# Altium PCB bas_Pcb.PcbDoc (part 2 of 2)
Units mil, origin at the board's own origin, x right, y up, seen from the top; angles counter-clockwise.
Board outline 4560 x 3935 mil, 4 copper layers (Top Layer, Int1 (GND), Int2 (PWR), Bottom Layer), stack 53.912 mil thick; 125 components, 87 nets, 449 pads, 123 vias.
Unrouted connection lines stored in the file: 1.
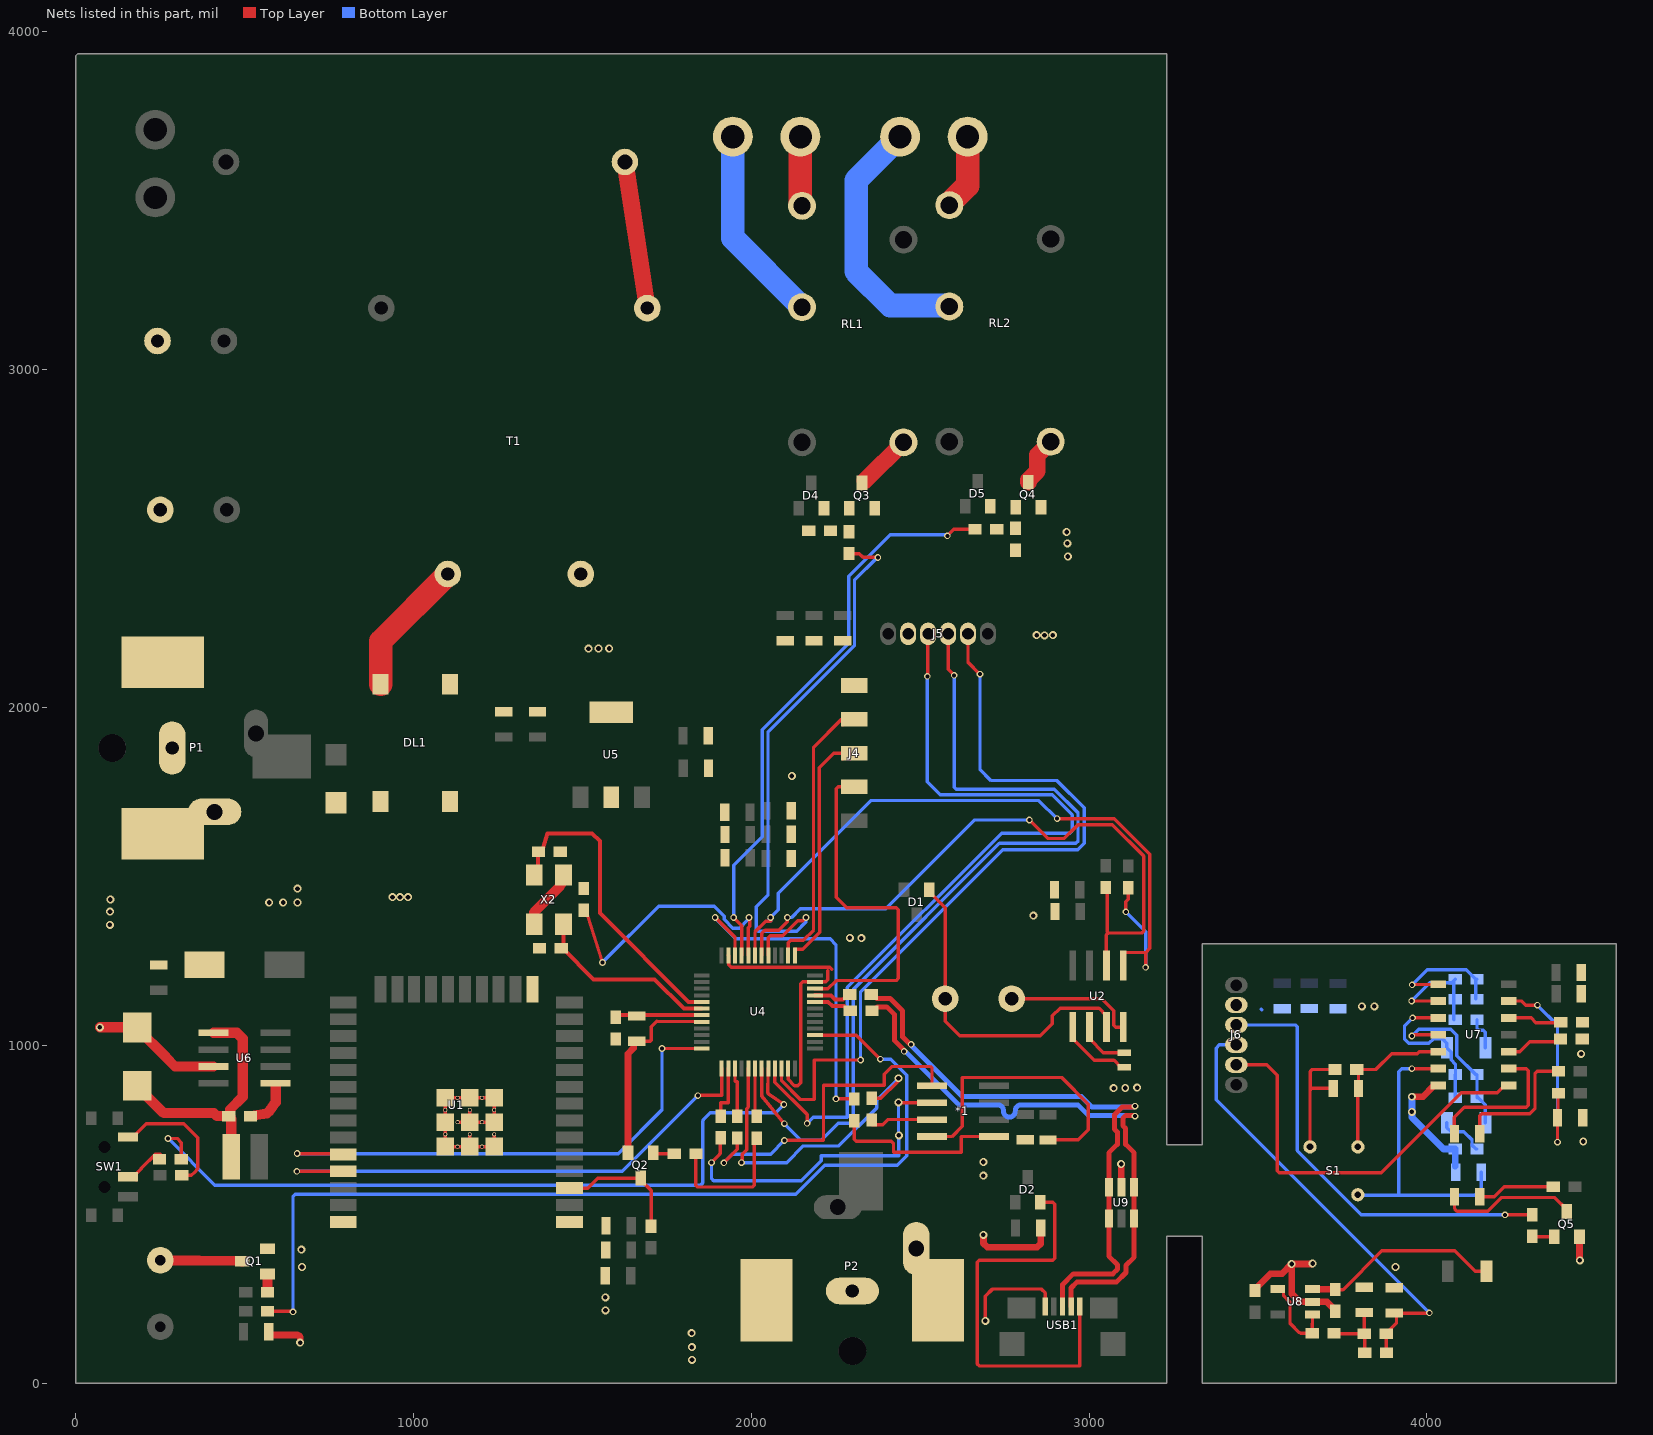
[diagram p4: the nets of this part, all layers, seen from the top]

## Via types
v1: diameter 23.62, hole 13.78, Top Layer to Bottom Layer, 77 vias
v2: diameter 19.68, hole 11.81, Top Layer to Bottom Layer, 45 vias
v3: diameter 25.79, hole 13.78, Top Layer to Bottom Layer, 1 vias

## Nets (pads, with @x,y where several pads share a name; then routed paths per layer and width w, separated by ;. In a path a pad name is that pad's centre, name@x,y a point inside that pad or via, vN(x,y) a via of type N, cw(c..) or ccw(c..) an arc to the next point about the centre after c; other vN are vias at no path point) (continued)
GND: *1.4 C1.1 C2.2 C3.2 C4.2 C5.2 C6.2 C7.2 C8.2 C9.2 C10.2 C11.1 C12.1 C13.1 C14.1 C15.2 C16.2 C17.2 C18.2 C19.2 C20.1 C21.1 C22.2 C23.2 C24.2 C25.2 C26.1 C28.2 C29.2 C30.2 C50.2 D3.A DL1.4 J4.5 J5.2 P1.2 P1.3 P2.2 P2.3 Q1.2 Q2.2 Q3.2 Q4.2 R7.2 R8.1 R21.2 R22.2 U1.1 U1.15 U1.38 U1.39 U2.4 U4.8 U4.23 U4.35 U4.47 U5.2 U6.7 U9.2 USB1.5 X2.2 X2.4 | length 4625.7
  Top Layer w10: U1.39@1130,772.24 U1.39@1166.12,772.24 ; U1.39@1166.12,736.12 U1.39@1166.12,700 ; U1.39@1166.12,808.37 U1.39@1166.12,772.24 ; U1.39@1238.37,736.12 U1.39@1238.37,700 U1.39@1202.24,700 U1.39@1166.12,700 ; C22.2@1651.3,1002.72 1660.08,1011.5 C22.2@1660.3,1011.5 1700.89,1011.5 1703.8,1014.41 1703.8,1054.89 1719.8,1070.89 1834.38,1070.11 U4.8@1853,1069.2 ; U4.47@1931.74,1266.06 1932.65,1265.15 1932.65,1238.12 1940.33,1230.43 2232.07,1230.43 2237.3,1225.2 ; U4.23@2108.91,931.41 2108.91,898.95 2127.46,880.4 2137.78,880.4 2146.5,889.11 2146.5,1181.69 2152.35,1187.55 2187.41,1187.55 U4.35@2187.65,1187.32 ; 2211.3,1188.1 2219.74,1188.1 2225.6,1193.96 2225.6,1221.2 ; *1.4@2534.66,729.8 2593.96,729.8 2624.7,760.54 2624.7,904.5 2918.6,904.5 2997.2,825.9 2997.2,749.6 2967.3,719.7 C10.2@2878,719.7 ; v1(2692.4,184.3) 2692.4,257.08 2713.72,278.4 2858.12,278.4 2869.84,266.68 USB1.5@2869.84,227.2 ; C5.2@2770.43,1138 3037.57,1138 3072.84,1102.73 3072.84,1059.32 3078.7,1053.46 U2.4@3101,1053.46 ; U1.39@1166.12,700 U1.39@1130,700 U1.39@1093.88,700 U1.39@1093.88,736.12 U1.39@1093.88,772.24 U1.39@1093.88,808.37 U1.39@1093.88,844.49 U1.39@1130,844.49 U1.39@1166.12,844.49 U1.39@1202.24,844.49 U1.39@1238.37,844.49 U1.39@1238.37,808.37 U1.39@1238.37,772.24 U1.39@1202.24,772.24 U1.39@1166.12,772.24
  Top Layer w20: C4.2@571,152 579.78,142.1 654.59,142.1 cw(c654.59,132.1) 664.58,131.79 v1(664.2,119.4) ; Q2.2@1634.6,681.2 1634.6,974.9 1651.3,991.6 C22.2@1651.3,1002.72 ; v1(2686.4,438.8) 2687.09,438.11 2687.09,413.22 2698.12,402.2 2846.09,402.2 2856.8,412.92 C9.2@2856.8,459 ; v1(3094.5,648.6) 3095.05,648.05 3095.05,580.21 U9.2@3095.6,579.66
  Top Layer w30: v1(71,1053.1) 180.92,1053.1 D3.A@182,1052.02 182,1049.46 267.2,964.26 267.2,963.7 293.73,937.17 U6.7@407.48,937.17 ; 1356.3,1393.5 1426.94,1464.14 ccw(c1386.95,1504.13) X2.2@1443.51,1504.13
  other v1: 1824.2,68.7 1823.7,106.3 1823.2,147.6 1568.2,215.3 1567.5,253.9 669.3,343.3 667.7,394.6 2686.4,614 2686.4,654.4 3072.2,873 3106.7,873.3 3142.1,874.2 2325.4,1317 2291.4,1318 100.4,1356.6 2834.5,1383.6 101.2,1395.4 572.5,1422.52 613.7,1422.52 656.2,1422.52 101.9,1431.6 937.5,1438.5 959.7,1438.5 983.1,1438.5 656.18,1463.7 2119.6,1797.1 1517.8,2174 1547.5,2174.6 1579,2174.6 2844.5,2214.2 2867.6,2213.7 2892.5,2214.2 2936.8,2446.9 2935.1,2485.8 2933.4,2519.6
GND_S: C34.1 C36.1 C37.1 C38.1 C39.1 C40.1 C41.1 C42.1 C43.1 C44.1 C45.1 J6.2 Q5.2 R24.1 R27.1 R28.1 R30.1 R32.1 S1.3 U7.7 U8.2 | length 1261.5
  Top Layer w10: S1.3@3653.63,699.07 3653.63,866.34 3654,866.71 ; C36.1@3722.3,872.2 3659.49,872.2 3654,866.71 ; R27.1@3727.41,928.2 3659.86,928.2 3654,922.34 3654,866.71 ; C42.1@4457.7,1167.3 C42.1@4459.8,1165.2
  Top Layer w20: C43.1@3490.8,273.68 3490.8,277.62 3536.8,323.62 3570.52,323.62 v1(3599.5,352.6) ; v1(3661.6,353.8) 3660.62,353.8 3659.42,352.6 v1(3599.5,352.6) ; R32.1@3728.1,212.32 3728.1,216.25 3703.95,240.4 U8.2@3661.08,240.4 3624.43,240.4 3599.5,265.33 v1(3599.5,352.6) ; C45.1@3901.5,283.5 C45.1@3903.1,281.9 ; v1@3958.4,847.5 3987.84,847.5 4021.24,880.9 U7.7@4033.05,880.9 ; Q5.2@4451.4,433.4 4451.4,364.2 v1(4452.3,363.3)
  Bottom Layer w10: 3509.2,1106.6 3510.4,1105.4
  Bottom Layer w20: v1(3955.4,847.5) 3955.4,786.48 4048.88,693 R24.1@4083.56,693 4083.56,641.74 C34.1@4083.7,641.6
  other v1: 3907,343.5 4462.6,715.2 3955,802.9 4456.2,974.4 3807.2,1115 3844.3,1115.4
Led_Driver: J5.3 U4.21 | length 2526.2
  Top Layer w10: U4.21@2069.54,931.41 2069.54,890.24 2164.8,794.97 v2(2164.8,768.9) ; v2(2520.8,2091.9) 2521.96,2093.06 2521.96,2216.84 J5.3@2523.11,2218
  Bottom Layer w10: v2(2164.8,768.9) 2182.8,786.9 2283.8,786.9 2283.8,1171.1 2740.6,1627.9 2942.76,1627.9 2949.8,1634.94 2949.8,1681.7 2890.1,1741.4 2559.3,1741.4 2520.8,1779.9 v2(2520.8,2091.9)
Led_S: J6.3 R36.1 | length 1323.8
  Top Layer w10: v2(4230.9,497.8) 4231.67,498.57 R36.1@4311.7,498.57
  Bottom Layer w10: J6.3@3435.5,1060.1 3609.54,1060.1 3615.4,1054.24 3615.4,688.25 3805.85,497.8 v2(4230.9,497.8)
"LIGHT 1 GND": J2.1 RL2.3 | length 222.8
  Top Layer w70: RL2.3@2585,3490 2640,3545 J2.1@2640,3690
"LIGHT 1 VCC": J2.2 RL2.2 | length 769.7
  Bottom Layer w70: J2.2@2440,3690 2310,3560 2310,3291.01 2411.01,3190 RL2.2@2585,3190
"LIGHT 2 GND": J1.1 RL1.3 | length 207.1
  Top Layer w70: J1.1@2145,3690 2145,3493.43 2150,3488.43 RL1.3@2150,3485
"LIGHT 2 VCC": J1.2 RL1.2 | length 589.9
  Bottom Layer w70: J1.2@1945,3690 1945,3390 RL1.2@2150,3185
MCU_N: R10.1 U4.32 | length 116.2
  Top Layer w12: U4.32@2187.65,1128.26 2205.17,1128.26 2205.52,1128.6 2227.27,1128.6 2239.69,1116.18 2274.12,1116.18 2288.59,1101.7 R10.1@2292.53,1101.7
MCU_P: R11.1 U4.33 | length 114.7
  Top Layer w12: U4.33@2187.65,1147.94 2205.17,1147.94 2205.52,1147.6 2235.14,1147.6 2247.56,1135.18 2271.57,1135.18 2286.79,1150.4 R11.1@2290.73,1150.4
Net*1_5: *1.5 R6.2 | length 555.2
  Top Layer w10: R6.2@2304.2,785.36 2304.2,721.56 2310.06,715.7 2414.64,715.7 2420.5,709.84 2420.5,683.3 2621.1,683.3 2621.1,729.8 *1.5@2717.74,729.8
Net*2_1: R32.2 RTD.1 U8.3 | length 587.7
  Top Layer w10: R32.2@3728.1,276.69 3751.44,276.69 3866.06,391.3 4082.18,391.3 4142.97,330.51 RTD.1@4175.69,330.51
  Top Layer w20: U8.3@3661.08,277.8 3726.98,277.8 R32.2@3728.1,276.69
NetC5_1: C5.1 D1.1 U2.3 | length 994.7
  Top Layer w10: D1.1@2526.4,1460.41 2526.4,1454.5 2573.57,1407.33 C5.1@2573.57,1138 2573.57,1071.43 2617,1028 2855,1028 2891,1064 2891,1086.9 2913.86,1109.76 3029.16,1109.76 3051,1087.91 U2.3@3051,1053.46
NetC20_2: C20.2 U4.5 X2.3 | length 921.9
  Top Layer w12: X2.3@1356.89,1504.13 1367.91,1529.63 1367.91,1563.05 C20.2@1369.73,1572.8 1383.41,1582.55 1396.8,1627 1528.6,1627 1551.1,1604.5 1551.1,1391.54 1814.38,1128.26 U4.5@1853,1128.26
NetC21_2: C21.2 U4.6 X2.1 | length 565.3
  Top Layer w12: C21.2@1440.18,1287.72 1532.7,1195.2 1713.3,1195.2 1799.93,1108.57 U4.6@1853,1108.57 ; C21.2@1441.12,1286.7 C21.2@1437.19,1286.7 1443.51,1293.02 X2.1@1443.51,1358.47
NetC27_1: C27.1 U6.1 | length 139.3
  Top Layer w30: C27.1@517.18,790 555.85,796.17 565.46,797.71 574.11,806.36 591.95,831.41 U6.1@591.95,878.82
NetC27_2: C27.2 D3.C L1.1 U6.5 | length 754.3
  Top Layer w30: D3.C@182,879.98 182,877.42 260.42,799 409.13,799 418.13,790 456.75,790 457.5,789.25 457.5,784.43 460,781.93 L1.1@460,670 ; U6.5@407.48,1037.17 476.43,1037.17 494,1019.59 494,847.4 456.18,809.58
NetC31_1: C31.1 R24.2 | length 138.7
  Bottom Layer w10: C31.1@4058.66,770.2 4058.66,756.42 4071.38,743.7 4109.31,743.7 4133.25,719.76 4133.25,703.75 4144,693 R24.2@4147.93,693
NetC31_2: C31.2 C33.1 R23.1 U7.4 | length 526.7
  Top Layer w10: v2(3955.4,1027.2) 3958.02,1027.2 3961.72,1030.9 U7.4@4033.05,1030.9
  Bottom Layer w10: v2(3955.4,1027.2) 3975.75,1047.55 4069.89,1047.55 4088.38,1029.07 4088.38,969.02 4144,913.4 C33.1@4147.93,913.4 R23.1@4147.93,845 4151.87,845 4172.84,824.04 C31.2@4172.84,770.2
NetC32_1: C32.1 C33.2 R23.2 U7.3 | length 462.4
  Top Layer w10: v2(3957.4,1081.2) 3957.55,1081.05 4032.9,1081.05 U7.3@4033.05,1080.9
  Bottom Layer w10: v2(3957.4,1081.2) 3933.56,1057.36 3933.56,1018.15 3946.35,1005.36 4005.77,1005.36 4019.5,1019.1 4045.95,1019.1 4058.66,1006.38 C32.1@4058.66,992.6 4071.38,979.88 4071.38,957.08 4084.31,944.15 4084.31,914.14 C33.2@4083.56,913.4 R23.2@4083.56,845
NetC32_2: C32.2 R25.1 | length 100.7
  Bottom Layer w10: R25.1@4147.93,1075.3 4147.93,1050.41 4153.79,1044.55 4166.98,1044.55 4172.84,1038.69 C32.2@4172.84,992.6
NetC34_2: C34.2 S1.1 U7.6 | length 899.9
  Top Layer w10: v2@3962.2,931.1 3962.4,930.9 U7.6@4033.05,930.9
  Bottom Layer w10: S1.1@3795.37,557.33 3796.4,556.3 4140.96,556.3 4160.4,575.74 C34.2@4160.4,623.9 ; 3916.1,557.3 3916.1,921.4 3925.6,930.9 v2(3955.4,930.9)
NetC35_1: C35.1 R25.2 R26.1 U7.2 | length 347.1
  Top Layer w10: v2(3954.7,1131.2) 3954.85,1131.05 4032.9,1131.05 U7.2@4033.05,1130.9
  Bottom Layer w10: v2(3954.7,1131.2) 4008.25,1184.75 4072.82,1184.75 C35.1@4083.56,1195.5 ; C35.1@4079.61,1187.61 4079.61,1136.9 4078.81,1136.1 4078.81,1076.4 R25.2@4079.91,1075.3
NetC35_2: C35.2 R26.2 U7.1 | length 358.3
  Top Layer w10: v2(3956.1,1178.6) 3957.25,1179.75 4031.9,1179.75 U7.1@4033.05,1180.9
  Bottom Layer w10: v2(3956.1,1178.6) 4000.75,1223.25 4116.25,1223.25 C35.2@4144,1195.5 ; R26.2@4143.99,1136.9 C35.2@4143.99,1195.5 ; C35.2@4147.93,1195.5 C35.2@4144,1195.5
NetC36_2: C36.2 R27.2 S1.2 U7.5 | length 468.8
  Top Layer w10: S1.2@3795.37,699.07 3795.37,846.54 ; C36.2@3797.1,872.2 3797.1,922.88 R27.2@3791.79,928.2 3848.3,928.2 3895.1,975 3971.04,975 3976.94,980.9 U7.5@4033.05,980.9
NetC40_2: C40.2 R31.1 U7.13 | length 662
  Top Layer w10: U7.13@4242.5,1130.9 4280.73,1130.9 4292.83,1118.8 v2(4326.7,1118.8) ; v2(4386.4,713.2) 4386.5,713.3 C40.2@4386.5,785.6 ; C40.2@4387.7,788.7 4387.7,856.57 R31.1@4389.23,858.1
  Bottom Layer w10: v2(4326.7,1118.8) 4386.4,1059.1 v2(4386.4,713.2)
NetC44_2: C44.2 R33.2 R34.1 R35.1 | length 210.2
  Top Layer w10: R33.2@3724.9,147.4 3726.3,146 R35.1@3814.72,146 3814.72,176.75 3814.6,176.86 C44.2@3814.6,208.7 ; R35.1@3815.22,152 3815.22,96.8 R34.1@3816.52,95.5
NetD2_2: D2.2 USB1.1 | length 1222.5
  Top Layer w10: D2.2@2855.4,534.8 2891.84,534.8 2897.7,528.94 2897.7,369.06 2891.84,363.2 2674.36,363.2 2668.5,357.34 2668.5,56.36 2674.36,50.5 2972.2,50.5 USB1.1@2972.2,227.2
NetD4_2: D4.2 Q3.3 RL1.4 | length 160.1
  Top Layer w50: Q3.3@2336.77,2671.77 RL1.4@2450,2785
NetD5_2: D5.2 Q4.3 RL2.4 | length 147.1
  Top Layer w50: Q4.3@2820,2667.2 2820,2673.11 2846.35,2699.46 2846.35,2746.97 2886,2786.62 RL2.4@2886,2787
NetDL1_1: DL1.1 T1.9
NetDL1_2: DL1.2 T1.7 | length 409.1
  Top Layer w70: DL1.2@902.44,2068.23 902.44,2196.14 T1.7@1101.3,2395
NetDL1_3: DL1.3 F1.1
NetLED1_1: LED1.1 U7.9 | length 444.6
  Top Layer w10: LED1.1@4081.2,738.1 4081.2,787 4111,816.8 4294.04,816.8 4299.9,822.66 4299.9,925.04 4294.04,930.9 U7.9@4242.5,930.9
NetLED1_2: LED1.2 R29.1 | length 402.5
  Top Layer w10: LED1.2@4156,738.1 4156,791.64 4161.86,797.5 4304.3,797.5 4319.9,813.1 4319.9,917.44 4325.76,923.3 R29.1@4389.31,923.3
NetLED2_1: LED2.1 Q5.3 | length 410.9
  Top Layer w10: LED2.1@4077,551.7 4081.59,547.11 4081.59,516.97 4082.86,515.7 4082.86,514.26 4088.71,508.4 4179.44,508.4 4220.24,549.2 4378.51,549.2 4414,513.71 Q5.3@4414,507.8
NetLED2_2: LED2.2 R37.2 | length 234.5
  Top Layer w10: LED2.2@4151.8,551.7 4198.7,551.7 4228.4,581.4 R37.2@4374.01,581.4
NetLS1_2: LS1.2 Q1.3 | length 242.9
  Top Layer w30: LS1.2@250,363.43 486.14,360.75 Q1.3@492.8,360
NetQ1_1: Q1.1 R3.1 | length 53.6
  Top Layer w30: R3.1@567.18,269 567.18,291.83 Q1.1@567.2,322.6
NetQ2_1: Q2.1 R4.1 | length 61.9
  Top Layer w10: Q2.1@1709.67,681.31 1720.15,679.12 R4.1@1771.29,679.12
NetQ3_1: Q3.1 R20.2 R22.1
NetQ4_1: Q4.1 R19.2 R21.1
NetQ5_1: Q5.1 R36.2 | length 55.8
  Top Layer w10: R36.2@4320.9,433.6 4321.1,433.4 Q5.1@4376.6,433.4
NetR1_1: R1.1 SW1.1 | length 388.4
  Top Layer w10: SW1.1@153.9,728.58 169.65,728.58 208.91,767.84 319.26,767.84 361,726.1 361,634 351.51,624.51 342.01,615 R1.1@313.18,615
NetR2_2: R2.2 SW1.2 | length 150.9
  Top Layer w10: SW1.2@178.43,601.69 SW1.2@153.9,610.47 169.65,610.47 194.03,634.86 194.03,636.15 235.88,678 250,678
NetR8_2: R8.2 U4.44 | length 828.8
  Top Layer w10: R8.2@1503.9,1399.71 1514.65,1385.03 v2(1559,1245) ; U4.44@1990.8,1266.06 1990.8,1347.56 1994.85,1351.62 1994.85,1375.55 v2@1993,1377.4
  Bottom Layer w10: v2(1559,1245) 1726,1412 1889.59,1412 1919.6,1381.99 1919.6,1372.4 1945.14,1346.86 1965.08,1346.86 1988.16,1369.94 1988.16,1370.73 1993,1375.57 v2@1993,1377.4
  other v2: 1993,1378.19
NetR9_2: R9.2 U4.18 | length 123.6
  Top Layer w10: U4.18@2009.69,930.62 U4.18@2010.48,931.41 R9.2@2010.48,808.9
NetR12_2: R12.2 U4.14 | length 164.2
  Top Layer w10: R12.2@1908.8,790.19 1908.8,830 1931.74,830 U4.14@1931.74,931.41
NetR13_2: R13.2 U4.15 | length 149
  Top Layer w10: U4.15@1951.43,931.41 1951.43,892.79 1958.5,892.79 R13.2@1958.5,789.49
NetR14_2: R14.2 U4.17 | length 978.3
  Top Layer w10: v2(1970.7,652.4) 1972.55,654.25 1972.55,676.87 1986.25,690.57 1986.25,812.64 1990.8,817.18 U4.17@1990.8,931.41 ; R14.2@2355.7,842.79 2383.39,842.79 2432.99,892.39 2432.99,899.69 v1(2435.6,902.3)
  Bottom Layer w10: v2(1970.7,652.4) 2104.4,652.4 2153.8,701.8 2258.54,701.8 2370.92,814.18 2370.92,837.62 v1(2435.6,902.3)
NetR15_2: R15.2 U4.27 | length 2845.6
  Top Layer w10: R15.2@567.19,212 642,212 v2(643,211) ; U4.27@2187.65,1029.83 2310.37,1029.83 v2(2381.6,958.6)
  Bottom Layer w10: v2(643,211) 643,553.04 648.86,558.9 2131.9,558.9 2217.4,644.4 2432.14,644.4 2460.31,672.57 2460.31,911.26 2412.97,958.6 v2(2381.6,958.6)
NetR18_2: R18.2 T1.1 | length 437.6
  Top Layer w50: R18.2@1625.55,3615 T1.1@1691.85,3182.4
NetR19_1: R19.1 U4.45 | length 1706.3
  Top Layer w10: v2(1947.55,1378.08) 1947.55,1377.32 1971.11,1353.76 U4.45@1971.11,1266.06 ; v2(2580,2508.2) 2599,2527.2 R19.1@2661.82,2527.2
  Bottom Layer w10: v2(1947.55,1378.08) 1947.55,1533.35 2032,1617.8 2032,1933.5 2288,2189.5 2288,2388.5 2411.36,2511.86 2573.01,2511.86 2573.3,2512.15 v2@2580.15,2512.15
NetR20_1: R20.1 U4.41 | length 1703
  Top Layer w10: U4.41@2049.85,1266.06 2049.85,1318.04 2055.71,1323.9 2092.19,1323.9 2136.99,1368.7 2152.11,1368.7 v2(2161.6,1378.19) ; R20.1@2289,2455.63 2319.75,2455.63 2330.38,2445 2373,2445 v2(2374.19,2443.8)
  Bottom Layer w10: v2(2161.6,1378.19) 2161.6,1365 2134.26,1337.66 2020.7,1337.66 2014.84,1343.52 2014.84,1410.4 2049,1444.56 2049,1926.46 2305,2182.46 2305,2377 2371.8,2443.8 v2(2374.19,2443.8)
NetR28_2: R28.2 U7.12 | length 145.4
  Top Layer w10: U7.12@4242.5,1080.9 4308.13,1080.9 4322.23,1066.8 R28.2@4382.01,1066.8
NetR30_2: R30.2 U7.10 | length 148.5
  Top Layer w10: U7.10@4242.5,980.9 4274.9,980.9 4304.1,1010.1 R30.2@4378.9,1010.1
NetR33_1: R33.1 U8.1 U8.4 | length 255.3
  Top Layer w10: U8.4@3558.72,277.8 3568.56,277.8 3575.37,270.99 3575.37,258.34 3594.51,239.21 3594.51,177.35 3622.36,149.5 3623.74,149.5 3625.84,147.4 R33.1@3660.53,147.4 3660.53,175.64 3661.08,176.19 U8.1@3661.08,203
NetU2_1: U2.1 X1.1 | length 222.1
  Top Layer w10: U2.1@2951,1053.46 2951,1019.02 3014.62,955.4 3073.51,955.4 3093.96,934.95 X1.1@3103.8,934.95
NetU2_2: U2.2 X1.2 | length 154.1
  Top Layer w10: U2.2@3001,1053.46 3001,1019.02 3041.76,978.25 X1.2@3103.8,978.25
NRST: C22.1 R7.1 U4.7 | length 263.2
  Top Layer w12: R7.1@1589.8,1088.89 U4.7@1853,1088.89
PIRDETECT: J6.5 U7.8 | length 1211.7
  Top Layer w10: J6.5@3435.5,941.99 3525.51,941.99 3556.2,911.3 3556.2,628.66 3562.06,622.8 3865,622.8 4101.08,858.88 4208.67,858.88 4230.69,880.9 U7.8@4242.5,880.9
PIRDETECTOR: J5.5 U4.22 | length 2333
  Top Layer w10: U4.22@2089.22,931.41 2089.22,894.6 2144.42,839.4 2186.5,839.4 2186.5,956.4 v2(2323.64,956.4) ; J5.5@2641.22,2218 2641.22,2134.18 v2(2676.6,2098.8)
  Bottom Layer w10: v2(2323.64,956.4) 2322.8,957.24 2322.8,1156.5 2744.6,1578.3 2965.6,1578.3 2984.9,1597.6 2984.9,1702.6 2903.7,1783.8 2709.2,1783.8 2676.6,1816.4 v2(2676.6,2098.8)
RTC_SCL: R17.1 U2.6 U4.42 | length 1963
  Top Layer w10: U4.42@2030.17,1266.06 2030.17,1330.89 2040.17,1340.9 2081.5,1340.9 2106.1,1365.5 v2(2106.1,1378.19) ; v2(2822.6,1666.9) 2877.3,1612.2 2926.2,1612.2 2966.8,1652.8 3068.6,1652.8 3161.1,1560.3 3161.1,1338.16 3155.24,1332.3 3056.86,1332.3 ; U2.6@3051,1236.54 3051,1326.44 3056.86,1332.3 ; 3053,1446.5 3053,1336.16 3056.86,1332.3
  Bottom Layer w10: v2(2106.1,1378.19) 2118.79,1378.19 2144.2,1403.6 2397.4,1403.6 2660.7,1666.9 v2(2822.6,1666.9)
RTC_SDA: R16.1 U2.5 U4.43 | length 2207.5
  Top Layer w10: U4.43@2010.48,1266.06 2010.48,1335.25 2042.48,1367.25 2055.05,1367.25 v2@2056.9,1369.1 ; v2(2904.9,1670.7) 3074.74,1670.7 3179.7,1565.74 3179.7,1287.4 3166.8,1274.5 ; U2.5@3101,1236.54 3101,1269.66 3105.84,1274.5 3166.8,1274.5 ; v2(3108.7,1394.9) 3108.7,1424.61 3115.9,1431.82 R16.1@3115.9,1466.5 ; v2(3167.3,1230.8) 3167.3,1274 3166.8,1274.5
  Bottom Layer w10: v2@2056.9,1369.1 2053.2,1372.8 2053.2,1375.03 2078.9,1400.73 2078.9,1450.42 2352.88,1724.4 2851.2,1724.4 v2(2904.9,1670.7) ; v2(3108.7,1394.9) 3167.3,1336.3 v2(3167.3,1230.8)
  other v2: 2056.9,1378.19
Sensor_On/Of: R2.1 U4.20 | length 2312.2
  Top Layer w10: v2(273,724) 300,724 312.18,711.82 R2.1@312.18,662 ; U4.20@2049.85,931.41 2048.94,912.79 2048.27,863.02 ccw(c2058.27,862.88) 2052.6,854.65 v2(2096.2,824.4)
  Bottom Layer w10: v2(273,724) 411,586 1846.2,586 ccw(c1846.2,596) 1856.2,596.15 1855.36,652.17 cw(c1877.2,652.5) 1855.36,652.65 1856.2,773.87 cw(c1866.2,773.8) 1859.13,780.87 1878.5,800.24 2072.04,800.24 v2(2096.2,824.4)
SWCLK: J4.3 U4.37 | length 787
  Top Layer w10: U4.37@2128.59,1266.06 2128.59,1283.77 2129.5,1284.68 2151.57,1284.68 2201.86,1334.97 2201.86,1570.14 2200.89,1571.11 2200.89,1822.16 2243.74,1865 J4.3@2287.28,1865 ; J4.3@2270.63,1848.35 J4.3@2287.28,1865 ; J4.3@2290.77,1848.35 2301.4,1858.97 J4.3@2328.17,1858.97 ; J4.3@2305,1865 J4.3@2287.28,1865
SWDIO: J4.2 U4.34 | length 1040.1
  Top Layer w10: U4.34@2187.65,1167.63 2226.63,1167.63 2250.63,1191.63 2428.63,1191.63 2434.7,1197.7 2434.7,1401.04 2428.84,1406.9 2281.77,1406.9 2250.63,1438.04 2250.63,1759.14 2256.49,1765 J4.2@2305,1765
TDI: J4.4 U4.38 | length 826.2
  Top Layer w10: U4.38@2108.91,1266.06 2108.91,1303.14 2116.66,1310.9 2153.75,1310.9 2183.89,1341.04 2183.89,1882.69 2265.6,1964.4 ; J4.4@2270.63,1948.35 2287.28,1965 J4.4@2305,1965
TEMP_ADC: C45.2 J6.4 R34.2 R35.2 | length 1341.7
  Top Layer w10: R34.2@3880.89,95.5 3879.59,96.8 3879.59,152 3883.52,152 3909.88,178.35 3909.88,198.42 C45.2@3902.5,205.8 ; C45.2@3903.1,207.1 4006.5,207.1 v2(4007,207.6)
  Bottom Layer w10: J6.4@3435.5,1001.04 3385.5,1001.04 3375.9,991.44 3375.9,838.7 v2(4007,207.6)
TEMP_IN_CS: *1.2 R12.1 | length 939.1
  Top Layer w10: v2(1881.9,652.2) 1881.9,653.29 1904.68,676.07 ccw(c1898.17,683.66) 1908.17,683.66 1908.17,711.13 R12.1@1908.8,725.82 ; v1(2435.6,830.8) 2436.4,830 2487.93,830
  Bottom Layer w10: v2(1881.9,652.2) 1881.9,604.86 1887.76,599 2147.96,599 2207.2,658.24 2207.2,672.8 2436.5,672.8 v1(2436.5,733.1) 2435.6,733.1 v1(2435.6,830.8)
TEMP_IN_OT: R6.1 U4.46 | length 1040.1
  Top Layer w10: v2(1892.5,1378.19) 1892.9,1378.2 1951.43,1319.67 U4.46@1951.43,1266.06 ; v2(2250.3,841.5) 2303.79,841.5 R6.1@2304.2,841.09
  Bottom Layer w10: v2(1892.5,1378.19) 1892.5,1375.57 1902.6,1365.47 1902.6,1365.36 1953.16,1314.8 2233.7,1314.8 2250.3,1298.2 v2(2250.3,841.5)
TEMP_IN_SCLK: *1.1 R13.1 | length 992.7
  Top Layer w10: v2(1918.3,652.1) 1958.1,691.9 1958.1,724.72 R13.1@1958.5,725.12 ; v2(2097.4,718.2) 2097.4,719 2213.5,719 2213.5,881.3 2393.4,881.3 2393.4,913.9 2416.7,937.2 2528.81,937.2 2534.66,931.34 *1.1@2534.66,879.8
  Bottom Layer w10: v2(1918.3,652.1) 1943.8,677.6 2056.8,677.6 v2(2097.4,718.2)
TEMP_IN_SIO: *1.3 R14.1 | length 136.2
  Top Layer w10: R14.1@2358,764.82 2388.75,764.82 2403.93,780 2487.93,780
TEMPATURE_ADC: J5.4 U4.19 | length 2619.8
  Top Layer w10: U4.19@2030.17,931.41 2030.17,850.5 v2(2097.4,768) ; J5.4@2582.17,2218 2582.17,2113.13 v2(2600.2,2095.1)
  Bottom Layer w10: v2(2097.4,768) 2146.6,718.8 2207.24,718.8 2257.54,769.1 2301.8,769.1 2301.8,1165.06 2734.34,1597.6 2960.86,1597.6 2966.8,1603.54 2966.8,1688.74 2897.14,1758.4 2606.06,1758.4 2600.2,1764.26 v2(2600.2,2095.1)
USB_N: R10.2 U9.1 U9.6 USB1.2 | length 1764.9
  Top Layer w14.7: R10.2@2356.9,1101.7 2360.84,1101.7 2372.84,1113.7 2400.62,1113.7 2423.04,1091.29 2423.04,1014.31 2449.52,987.83 2449.52,985.65 2452.01,983.16 2452.01,982.84 v2(2452.01,981.81) ; USB1.2@2946.61,227.2 2946.16,227.65 2946.16,281.49 2963.24,298.58 3080.39,298.58 3108.94,327.13 3108.94,348.71 3133,372.78 U9.6@3133,487.14 U9.1@3133,579.66 3133,681.69 3107.95,706.75 3107.95,753.47 3099.7,761.72 3099.7,783.74 3108.31,792.35 3131.66,792.35 3134.15,789.86 v2(3135.5,789.86)
  Bottom Layer w14.7: v2(2452.01,981.81) 2455.54,981.81 2613.89,823.46 2687,823.46 2729.05,823.46 cw(c2729.05,806.11) 2746.39,806.11 2746.39,804.35 ccw(c2763.74,804.35) 2781.09,804.35 2781.09,806.11 cw(c2798.44,806.11) 2798.44,823.46 2877.8,823.46 2966.34,823.46 2997.44,792.35 3131.66,792.35 3134.15,789.86 v2(3135.5,789.86)
USB_P: R11.2 U9.3 U9.4 USB1.3 | length 1765.3
  Top Layer w14.7: R11.2@2355.1,1150.4 2359.04,1150.4 2371.04,1138.4 2410.85,1138.4 2447.73,1101.52 2447.73,1024.54 2469.47,1002.8 v2(2473,1002.8) ; USB1.3@2921.02,227.2 2921.47,227.65 2921.47,291.72 2953.01,323.27 3070.16,323.27 3084.24,337.36 3084.24,349.53 3058.2,375.58 U9.4@3058.2,487.14 U9.3@3058.2,579.66 3058.2,681.69 3083.25,706.75 3083.25,743.24 3075,751.49 3075,793.97 3098.08,817.05 3131.66,817.05 3134.15,819.54 v2(3135.5,819.54)
  Bottom Layer w14.7: v2(2473,1002.8) 2473,1001.45 2475.49,998.96 2475.49,996.78 2624.12,848.16 2976.57,848.16 3007.67,817.05 3131.66,817.05 3134.15,819.54 v2(3135.5,819.54)
WIFI_EN: R4.2 R9.1 | length 414.2
  Top Layer w10: R4.2@1834.99,683.3 1834.99,586.06 1840.84,580.2 2002.44,580.2 2008.3,586.06 R9.1@2008.3,724.82
WIFI_OUT: Q2.3 R5.1 U1.3 | length 378.1
  Top Layer w10: U1.3@1461.4,576.97 1515.77,576.97 1545.59,606.8 Q2.3@1672,606.8 1672,600.89 1702.9,569.99 R5.1@1702.9,464.48
WIFI_RX: U1.34 U4.12 | length 1571.2
  Top Layer w10: v2(655.4,679.3) 789.77,679.3 U1.34@792.11,676.97 ; v2@1735.3,991 v2(1735.3,990.46) U4.12@1853,990.46
  Bottom Layer w10: v2(655.4,679.3) 655.61,679.09 1605.49,679.09 1735.3,808.9 v2(1735.3,990.46)
WIFI_TX: U1.35 U4.13 | length 1569
  Top Layer w10: v2(654.3,626.8) 791.94,626.8 U1.35@792.11,626.97 ; v2(1841.42,850.91) 1841.42,851.8 1912.06,851.8 U4.13@1912.06,931.41
  Bottom Layer w10: v2(654.3,626.8) 1617.31,626.8 v2(1841.42,850.91)
pads on no net: *1.6 *1.7 D1.3 D2.3 D4.3 D5.3 J5.6 J6.6 P1. P2. RL1.1 RL2.1 SW1. SW1.3 U1.4 U1.5 U1.6 U1.7 U1.8 U1.9 U1.10 U1.11 U1.12 U1.13 U1.14 U1.16 U1.17 U1.18 U1.19 U1.20 U1.21 U1.22 U1.23 U1.24 U1.25 U1.26 U1.27 U1.28 U1.29 U1.30 U1.31 U1.32 U1.33 U1.36 U1.37 U2.7 U4.1 U4.2 U4.3 U4.4 U4.10 U4.11 U4.16 U4.25 U4.26 U4.28 U4.29 U4.30 U4.31 U4.39 U4.40 U6.2 U6.3 U6.8 U7.11 USB1. USB1.4

## Polygon pours and split planes (outlines as drawn)
GND on Top Layer "GND_L01_P003" (solid, pour order 3): 5,2399.7 23.1,37.7 3134,37.7 3202,105.7 3202,2399.7
GND_S on Top Layer "GND_S_L01_P004" (solid, remove dead copper, pour order 4): 3364.7,1272.2 3365.5,1273 4524.4,1273 4524.4,37.3 4515,27.9 3360.4,27.9 3360.4,51 3360.4,57.9
+12VDC on Top Layer "+12VDC_L01_P002" (solid, pour order 2): 390,3159 390,3158 513,3158 513,2509 371,2509 371,3161
NetDL1_1 on Top Layer "NETDL1_1_L01_P000" (solid, pour order 0): 1505,2490 1575,2420 1575,2370 1515,2310 1450,2310 1140,2000 1045,2000 1045,2125 1165,2125 1390,2350 1390,2415 1450,2475
GND on Int1 (GND) (split plane): 3209.9,705 3210.29,701.08 3211.43,697.31 3213.29,693.83 3215.79,690.79 3218.83,688.29 3222.31,686.43 3226.08,685.29 3230,684.9 3335,684.9 3338.92,685.29 3342.69,686.43 3346.17,688.29 3349.21,690.79 3351.71,693.83 3353.57,697.31 3354.71,701.08 3355.1,705 3355.1,1279.9 4539.9,1279.9 4539.9,20.1 3355.1,20.1 3355.1,435 3354.71,438.92 3353.57,442.69 3351.71,446.17 3349.21,449.21 3346.17,451.71 3342.69,453.57 3338.92,454.71 3335,455.1 3230,455.1 3226.08,454.71 3222.31,453.57 3218.83,451.71 3215.79,449.21 3213.29,446.17 3211.43,442.69 3210.29,438.92 3209.9,435 3209.9,20.1 20.1,20.1 20.1,3914.9 3209.9,3914.9
GND_S on Int1 (GND) (split plane): 3946.36,1092.43 3711.65,1089.58 3711.64,1089.58 3711.63,1089.58 3710.87,1089.41 3710.09,1089.25 3710.08,1089.24 3710.07,1089.24 3709.43,1088.79 3708.78,1088.35 3708.77,1088.34 3708.77,1088.33 3708.34,1087.68 3707.91,1087.01 3707.91,1087 3707.9,1086.99 3707.77,1086.23 3707.62,1085.45 3707.62,1085.44 3707.62,1085.43 3719.92,398.03 3720.08,397.3 3720.22,396.57 3720.25,396.53 3720.26,396.47 3720.68,395.86 3721.09,395.24 3721.14,395.21 3721.17,395.16 3721.79,394.76 3722.41,394.35 3722.46,394.33 3722.51,394.3 3723.24,394.17 3723.96,394.02 3906.66,392.42 3906.7,392.43 3906.73,392.42 3907.48,392.58 3908.23,392.72 3908.26,392.74 3908.29,392.74 3908.93,393.18 3909.56,393.59 3909.58,393.62 3909.61,393.64 3910.03,394.28 3910.45,394.91 3910.46,394.94 3910.48,394.97 3910.62,395.72 3910.78,396.46 3910.77,396.5 3910.78,396.53 3906.91,910.94 3997.89,909.1 3994.02,405.33 3994.02,405.32 3994.17,404.54 3994.32,403.77 3994.32,403.76 3994.33,403.76 3994.76,403.1 3995.19,402.44 3995.2,402.43 3995.85,401.99 3996.51,401.54 3996.52,401.54 3997.29,401.38 3998.07,401.22 3998.08,401.22 4433.18,399.32 4433.23,399.33 4433.28,399.32 4434.01,399.48 4434.74,399.63 4434.79,399.65 4434.84,399.66 4435.45,400.09 4436.07,400.5 4436.1,400.55 4436.14,400.58 4436.54,401.21 4436.96,401.82 4436.97,401.87 4437,401.92 4437.13,402.65 4437.28,403.38 4437.27,403.43 4437.28,403.48 4422.66,1115.18 4521.24,1119.06 4523.72,593.8 4522.05,312.75 3558.71,306.11 3545.18,1085.57 3545.03,1086.27 3544.9,1086.98 3544.86,1087.05 3544.84,1087.13 3544.43,1087.71 3544.05,1088.32 3543.98,1088.37 3543.93,1088.43 3543.33,1088.82 3542.75,1089.23 3542.66,1089.25 3542.6,1089.29 3541.89,1089.42 3541.19,1089.58 3385.64,1093.08 3387.52,1140.74 3948.17,1143.6
+3V3DC on Int2 (PWR) (split plane): 3209.9,705 3210.29,701.08 3211.43,697.31 3213.29,693.83 3215.79,690.79 3218.83,688.29 3222.31,686.43 3226.08,685.29 3230,684.9 3335,684.9 3338.92,685.29 3342.69,686.43 3346.17,688.29 3349.21,690.79 3351.71,693.83 3353.57,697.31 3354.71,701.08 3355.1,705 3355.1,1279.9 4539.9,1279.9 4539.9,20.1 3355.1,20.1 3355.1,435 3354.71,438.92 3353.57,442.69 3351.71,446.17 3349.21,449.21 3346.17,451.71 3342.69,453.57 3338.92,454.71 3335,455.1 3230,455.1 3226.08,454.71 3222.31,453.57 3218.83,451.71 3215.79,449.21 3213.29,446.17 3211.43,442.69 3210.29,438.92 3209.9,435 3209.9,20.1 20.1,20.1 20.1,3914.9 3209.9,3914.9
+12VDC on Int2 (PWR) (split plane): 2647.92,2726.94 2647.94,2726.87 2647.93,2726.8 2652.92,2625.85 2046.7,2382.75 2046.39,2382.55 2046.04,2382.42 499.83,1411.08 307,1411.08 305.44,1410.77 304.12,1409.88 264.12,1369.88 263.23,1368.56 262.92,1367 262.92,1227.69 180.31,1145.08 56.08,1145.08 56.08,1487.31 185.19,1616.42 542.5,1616.42 544.06,1616.73 545.38,1617.62 602.88,1675.12 603.77,1676.44 604.08,1678 604.08,1962.92 784.31,1962.92 785.92,1961.31 785.92,1927.16 785.96,1926.96 785.94,1926.75 786.12,1926.18 786.23,1925.6 786.35,1925.43 786.41,1925.23 786.78,1924.77 787.12,1924.27 787.29,1924.16 787.42,1924 787.94,1923.72 788.44,1923.39 788.64,1923.35 788.82,1923.25 789.41,1923.2 790,1923.08 790.2,1923.12 790.41,1923.1 790.98,1923.27 791.56,1923.39 791.73,1923.5 791.93,1923.56 1937.17,2537.69 1937.62,2538.07 1938.11,2538.39 1938.23,2538.57 1938.4,2538.7 1938.67,2539.22 1939,2539.71 1939.05,2539.92 1939.15,2540.11 1939.2,2540.69 1939.32,2541.26 1941.06,2849.99 1995.04,2850.92 2204.31,2850.92 2224.92,2830.31 2224.92,2727 2224.92,2716 2224.92,2715.99 2224.92,2715.97 2225.08,2715.21 2225.23,2714.44 2225.24,2714.43 2225.24,2714.41 2225.68,2713.76 2226.12,2713.12 2226.13,2713.11 2226.14,2713.1 2226.79,2712.67 2227.44,2712.23 2227.45,2712.23 2227.47,2712.22 2228.23,2712.07 2229,2711.92 2229.01,2711.92 2229.03,2711.92 2520.03,2713.92 2520.75,2714.07 2521.59,2714.24 2522.2,2714.66 2522.9,2715.14 2523.4,2715.89 2523.78,2716.46 2523.78,2716.47 2523.95,2717.35 2524.08,2718.03 2523.11,2866.92 2645.98,2866.92
+3V3_S_DC on Int2 (PWR) (split plane): 3660.89,1217.27 3667.5,838.84 3521.95,582.11 3521.87,581.88 3521.74,581.67 3521.63,581.13 3521.45,580.6 3521.47,580.35 3521.42,580.11 3520.52,184.71 3520.53,184.67 3520.52,184.63 3520.68,183.89 3520.83,183.15 3520.85,183.12 3520.86,183.08 3521.29,182.45 3521.71,181.82 3521.74,181.8 3521.76,181.77 3522.4,181.36 3523.03,180.94 3523.07,180.93 3523.1,180.91 3523.85,180.77 3524.59,180.62 3524.63,180.63 3524.67,180.62 3944.92,187.36 3951.22,56.19 3383.45,57.77 3396.01,784.64 3516.92,782.12 3517.68,782.26 3518.45,782.39 3518.47,782.4 3518.48,782.4 3519.14,782.82 3519.8,783.24 3519.81,783.25 3519.82,783.26 3520.27,783.9 3520.72,784.53 3520.73,784.55 3520.73,784.56 3520.9,785.32 3521.08,786.09 3531.28,1150.29 3531.26,1150.36 3531.28,1150.43 3531.13,1151.14 3531.01,1151.85 3530.97,1151.92 3530.96,1151.99 3530.55,1152.59 3530.16,1153.2 3530.1,1153.24 3530.06,1153.3 3529.46,1153.7 3528.87,1154.12 3528.8,1154.14 3528.74,1154.18 3528.02,1154.32 3527.31,1154.48 3527.24,1154.46 3527.17,1154.48 3396.08,1153.61 3396.08,1220.57
+5VDC on Int2 (PWR) (split plane): 1375.88,1682.39 901.02,1418.36 900.56,1417.97 900.06,1417.63 899.95,1417.46 899.8,1417.33 899.53,1416.8 899.2,1416.29 899.17,1416.09 899.08,1415.92 899.03,1415.32 898.92,1414.72 903.22,1197.12 903.56,1195.57 904.47,1194.26 904.72,1194.1 904.72,888.8 904.73,888.76 904.72,888.73 909.42,624.83 909.58,624.1 909.72,623.36 909.75,623.32 909.76,623.27 910.19,622.66 910.6,622.03 910.64,622 910.67,621.97 911.3,621.56 911.92,621.14 911.97,621.13 912.01,621.1 912.74,620.97 913.48,620.82 2362.76,613.74 2357.28,477.68 1784.28,477.68 1784.28,547.8 1783.97,549.36 1783.08,550.68 1781.76,551.57 1780.2,551.88 789.89,551.88 773.08,568.69 773.08,720.8 772.93,721.57 772.78,722.33 772.77,722.34 772.77,722.36 772.33,723.01 771.91,723.66 771.89,723.67 771.88,723.68 771.23,724.12 770.59,724.55 770.58,724.56 770.56,724.57 769.79,724.72 769.04,724.88 604.14,726.38 603.36,726.23 602.59,726.09 602.58,726.08 602.57,726.08 601.91,725.65 601.25,725.22 601.25,725.21 601.24,725.21 600.8,724.56 600.35,723.91 600.35,723.9 600.35,723.89 600.19,723.13 600.02,722.35 591.48,82.64 112.04,77.92 114.52,251.32 430.21,259.52 430.9,259.68 431.6,259.81 431.67,259.86 431.76,259.87 432.34,260.29 432.94,260.67 432.99,260.74 433.06,260.79 433.44,261.4 433.84,261.98 433.86,262.07 433.91,262.14 434.03,262.84 434.18,263.54 442.28,793.44 442.25,793.61 442.27,793.78 436.67,875.52 693.51,869.82 693.54,869.83 693.56,869.82 694.32,869.96 695.08,870.1 695.1,870.11 695.13,870.12 695.77,870.54 696.42,870.95 696.44,870.98 696.46,870.99 696.89,871.62 697.33,872.26 697.34,872.28 697.35,872.31 697.51,873.06 697.68,873.81 697.67,873.84 697.68,873.86 702.95,1462.35 714.29,1466.13 714.63,1466.33 715,1466.45 1370.43,1836.24

## Keep-outs
Keep-Out Layer:
  lines w3.94: 0,0 3230,0 3230,435 3335,435 3335,0 4560,0 4560,1300 3355,1300 3335,1300 3335,705 3230,705 3230,3935 3065,3935 2900,3935 5,3935 0,3930 0,0

## Other copper
Top Layer:
  pour cut-out: 1861.1,635.92 1861.5,615.3 1993.7,612.9 1994.6,666.4 1862.4,664.4
  pour cut-out: 1861.1,673.55 cw(c1860.37,673.5) 1861.1,673.44 1861.1,635.92 1913.8,635.92 1913.8,697.48 1861.1,697.48
  region net +5VDC: 517,604 cw(c514.59,601.59) 518,601.59 518,448 568,448 568,604
  region net GND: 1570.7,1599.5 1608.05,1599.5 1608.05,1601.95 1608.05,1748.8 1574.3,1748.8 1570.7,1748.8
  region net GND: 1598.6,1636.7 1598.6,1599.35 1773.65,1599.35 1920.5,1599.35 1920.5,1633.1 1920.5,1636.7
  region net GND: 1935.4,1714.8 1903.8,1714.8 1903.8,1529.6 1935.4,1529.6
  region net GND: 1561.6,1762.3 1561.6,1960.7 1608.5,1959.5 1608.5,1951.4 1608.5,1762.3
  region net GND: 1635.8,1024.5 1586.8,1024.5 1586.3,999 1636.3,998.5 1635.3,1008.5
  region net GND: 1334,1204.7 1333.8,1204.9 1333.8,1280.3 1373.3,1280.3 1369.1,1280.3 1369.1,1269.7 1369.1,1205
  region net GND: 1419.3,1589 1419.3,1585.4 1419.3,1472.8 1520.2,1472.8 1519.2,1473.8 1519.2,1538.5 1454.5,1538.5 1453,1540 1453,1588.6 1452.6,1589
  region net GND: 1860.41,1794.3 1885.7,1794.3 1885.7,1974.2 1889.3,1977.8 1886.3,1980.8 1859.9,1980.8
  region net GND: 1149.2,1954.1 1241.6,2020.5 1241.6,1969.3 1235.53,1961.22 1162,1899.1
  region net GND: 1241.6,1969.3 1899.7,1969.3 1899.7,2020.5 1241.6,2020.5
  region net GND: 219.6,1227.2 219.6,1567.5 218.3,1568.8 224.3,1574.8 372.4,1574.8 372.4,1229.2 374.4,1227.2
  region net GND: 190.1,2616.7 196.3,2622.9 297.3,2622.9 297.3,1702.6 182.97,1702.6
  region net GND: 2103.4,1526.9 2134.1,1526.9 2134.1,1808.4 2103.4,1808.4
  region net GND: 2479.8,2233.9 2442.45,2233.9 2442.45,2231.45 2442.45,2084 2479.8,2084
  region net GND: 2447.3,2084.1 2447.3,2121.45 2444.85,2121.45 2298,2121.45 2298,2087.7 2298,2084.1
  region net GND: 2266.6,2043.6 2303.95,2043.6 2303.95,2046.05 2303.95,2211.4 2266.6,2211.4
  region net GND: 2073.6,2211.4 2073.6,2174.05 2076.05,2174.05 2294.9,2174.05 2294.9,2211.4
  region net GND: 2481.2,2367.5 2443.85,2367.5 2443.85,2365.05 2443.85,2218.2 2477.6,2218.2 2481.2,2218.2
  region net GND: 2479.4,2573.1 2479.4,2610.45 2351.3,2610.45 2351.3,2576.7 2351.3,2573.1
  region net GND: 2441.7,2385.1 2479.05,2385.1 2479.05,2387.55 2479.05,2573.3 2441.7,2573.3
  region net GND: 2151.3,2371.4 2188.65,2371.4 2188.65,2373.85 2188.65,2520.7 2154.9,2520.7 2151.3,2520.7
  region net GND: 2151.3,2388.25 2151.3,2350.9 2777.68,2350.9 2924.53,2350.9 2924.53,2384.65 2924.53,2388.25
  region net GND: 2766.7,2485.3 2766.7,2447.95 2769.15,2447.95 2916,2447.95 2916,2481.7 2916,2485.3
  region net GND: 2916,2350.9 2953.3,2350.9 2953.3,2611.3 2846.5,2611.3 2843.1,2614.7 2842.6,2614.2 2842.6,2573.6 2909.6,2573.6 2916,2567.2 2916,2464.4
  region net GND: 2910.7,1485 2912.3,1483.4 2912.3,1370.9 2822.9,1370.9 2822.9,1377.7 2822.9,1405.5 2880.8,1405.5 2881.2,1405.1 2883.2,1407.1 2883.2,1485.8
  region net GND: 2699.3,592.45 2674.4,592.45 2674.4,676.6 2699.3,676.6
  region net GND: 2698.2,651.3 2698.2,676.2 2790.45,676.2 2790.45,651.3
  region net GND: 2786,733.45 2810.9,733.45 2810.9,651.3 2786,651.3
  region net GND: 2903.8,732.7 2903,731.9 2903,707.8 2786.8,707.8 2785.5,706.5 2785,707 2785,732.7
  region net GND: 2088.1,341.7 2086.8,340.4 2086.8,210.4 2401,210.4 2398.3,213.1 2398.3,343
  region net GND: 2275.39,1302.8 2275.39,1237.2 2220.61,1237.2 2220.61,1210.46 2304.57,1210.46 2304.57,1216 2304.57,1302.8
  region net GND: 2274.6,1331.69 2274.6,1301.2 2340.6,1301.2 2340.6,1314 2340.6,1332.11
  region net GND: 1553.2,200.8 1582.4,200.8 1582.4,491.7 1553.2,491.7
  region net GND: 627.9,307.76 706.1,307.76 706.1,420.39 627.9,420.39
  region net GND: 546,414.5 545.8,383.7 769,383.7 769,414.5
  pour cut-out: 771,452.9 771,166.9 1488.7,166.9 1488.7,450.08
  region net +3V3DC: 1824.3,1742.3 1824.3,1669.4 1789.1,1669.4 1789.1,1742.17
  region net +3V3DC: 2466.8,1482.45 2467.4,1481.85 2467.4,1440.55 2273.3,1440.55 2273.3,1442.35 2273.3,1444.75 2273.3,1483.05
  region net GND_S: 3895.2,355.45 3895.6,355.85 3917.2,355.85 3917.2,280.15 3915.2,280.15 3909.6,280.15 3895.2,280.15
  region net GND_S: 3892.75,294.7 3893.15,294.3 3893.15,272.7 3817.45,272.7 3817.45,274.7 3817.45,280.3 3817.45,294.7
  region net +3V3_S_DC: 3575.1,214.6 3575.5,214.2 3575.5,192.6 3499.8,192.6 3499.8,194.6 3499.8,200.2 3499.8,214.6
  region net GND_S: 4450.5,809.1 4449.3,807.9 4449.3,697.1 4476.9,697.1 4474.6,699.4 4474.6,809.1
  region net +3V3_S_DC: 4371.9,1253.6 4370.7,1252.4 4370.7,1141.6 4398.3,1141.6 4396,1143.9 4396,1253.6
  region net +3V3DC: 1906.8,1163.6 1907.9,1164.7 1907.9,1165.4 2122.8,1165.4 2122.8,1141.3 1925.1,1141.3 1907.2,1123.4
  region net NetD5_2: 2711.9,2663.05 2712.2,2663.35 2745.3,2663.35 2745.3,2574.05 2740.3,2574.05 2712.2,2574.05 2712.2,2651.85 2712.2,2660.7
  region net NetD5_2: 2712.35,2651 2712.05,2651.3 2712.05,2690.5 2841.1,2690.5 2841.1,2651.3 2714.7,2651.3
  region net +12VDC: 2648.65,2617 2648.95,2616.7 2648.95,2573.3 2559.95,2573.3 2559.65,2575.5 2559.65,2588.6 2559.65,2616.7 2637.45,2616.7 2646.3,2616.7
  region net NetQ4_1: 2767.4,2614.9 2797.9,2614.9 2797.9,2519.1 2797.6,2518.8 2797.6,2510.8 2706.2,2510.8 2706.2,2541.3 2764.5,2541.3 2765.9,2542.7 2767.1,2543.9 2767.5,2543.5
  region net NetQ3_1: 2274.7,2611.4 2305.2,2611.4 2305.2,2515.6 2304.9,2515.3 2304.9,2507.3 2213.5,2507.3 2213.5,2537.8 2271.8,2537.8 2273.2,2539.2 2274.4,2540.4 2274.8,2540
  region net NetD4_2: 2214.75,2645.1 2214.45,2645.4 2214.45,2684.6 2343.5,2684.6 2343.5,2645.4 2217.1,2645.4
  region net NetD4_2: 2214.3,2657.15 2214.6,2657.45 2247.7,2657.45 2247.7,2568.15 2242.7,2568.15 2214.6,2568.15 2214.6,2645.95 2214.6,2654.8
  region net +12VDC: 2158.05,2612.5 2158.35,2612.2 2158.35,2568.8 2069.35,2568.8 2069.05,2571 2069.05,2584.1 2069.05,2612.2 2146.85,2612.2 2155.7,2612.2
  region net +5VDC: 1505.75,1717 1476.65,1717 1476.65,1923 1505.75,1923
  region net +5VDC: 1280.99,1896.85 1280.99,1925.95 1511.9,1925.95 1511.9,1896.85
  region net +5VDC: 1310.74,1687.2 1338.6,1687.2 1338.6,1780.57 1295.8,1780.57 1295.8,1751.9 1310.74,1751.9
  region net +5VDC: 1260,1926.01 1295.8,1926.01 1295.8,1751.9 1260,1751.9
  region net +3V3DC: 1650.95,1745.9 1697.85,1745.9 1697.85,1910.9 1811.35,1910.9 1811.35,1943.7 1782.05,1943.7 1654.35,1943.7
  region net +3V3DC: 1811,1902.18 1811,1841.82 1785.14,1841.82 1785.14,1902.08
  region net +5VDC: 519,731.91 519,688 694.58,734.26 714.83,742.1 717.2,1277.07 675.76,1277.07 670.74,1046.9 614.74,1046.9 614.17,1028.2 670.34,1028.2 662,770.31
  region net +3V3DC: 1634.22,191.5 1706.5,191.5 1706.5,163.7 1703.2,160.4 1635.5,160.4
  region net +3V3_S_DC: 3780,1201.55 3879.7,1201.55 3879.7,1175.45 3878.3,1174.05 3780,1174.05
  region net +3V3DC: 2786.3,809.44 2786.3,783.4 2971.6,783.4 2971.6,810.45
  region net +3V3DC: 2956.8,1549.7 2956.8,1369.9 3000.2,1369.9 3000.2,1549.7
  region net +3V3DC: 3130.5,1549.7 3130.5,1512.9 3130.1,1512.5 3129.7,1512.9 2990.45,1512.9 2990.45,1549.7
  region net +3V3DC: 1789,1796 1789,1740 1796,1733 2017,1733 2017,1755 1994,1778 1813,1778 1813,1793 1812,1797 1812,1802 1812.44,1802.56 1809,1806 1788,1806
  region net +3V3DC: 1982,1733 2042.3,1733 2057,1718.3 2057,1527 1986,1527 1982,1531 1982,1547
  region net +12VDC: 659,1964 803,1964 804,1823 659,1822
  region net +12VDC: 371,2509 522,1987 557,1950 585,1892 680,1892 513,2509
  region net +12VDC: 740,1829 690,1829 690,1891 740,1891 740,1885
  region net NetDL1_3: 735,1770 945,1770 945,1675 735,1675
Bottom Layer:
  region net GND: 190,3125.25 298.1,3125.25 298.1,2540.75 190,2540.75
  region net GND_S: 3399.7,1132.3 3399.7,1094.9 3855.3,1094.9 3855.3,1132.3
  region net +3V3_S_DC: 3400.1,1217.9 3400.1,1154 3855.2,1154 3855.2,1173.7 3855.2,1217.9
Int1 (GND) (plane layer: these items are gaps in the copper):
  lines w8: 3381.4,1089.1 3383.6,1144.8 3952.4,1147.7 3950.3,1088.4 3711.7,1085.5 3724,398.1 3906.7,396.5 3902.8,915.1 4002,913.1 3998.1,405.3 4433.2,403.4 4418.5,1119.1 4525.3,1123.3 4527.8,593.8 4526.1,308.7 3554.7,302 3541.1,1085.5 3381.4,1089.1
Int2 (PWR) (plane layer: these items are gaps in the copper):
  lines w8: 907.3,1197.2 903,1414.8 1380.04,1680.04 1374.27,1843.09 713,1470 698.9,1465.3 693.6,873.9 432.3,879.7 438.2,793.5 430.1,263.6 110.5,255.3 107.9,73.8 595.5,78.6 604.1,722.3 769,720.8 769,567 788.2,547.8 1780.2,547.8 1780.2,473.6 2361.2,473.6 2367,617.8 913.5,624.9 908.8,888.8 908.8,1208.8 ; 1669,2058 1669,2059 ; 52,1143 54,1141 182,1141 267,1226 267,1367 307,1407 501,1407 2048.21,2378.97 2657.14,2623.15 2652,2727 2650,2871 2519,2871 2520,2718 2229,2716 2229,2727 2229,2832 2206,2855 1995,2855 1937,2854 1935.24,2541.29 790,1927.16 790,1963 786,1967 600,1967 600,1678 542.5,1620.5 183.5,1620.5 52,1489 52,1143 ; 3379.3,53.7 3955.5,52.1 3948.8,191.5 3524.6,184.7 3525.5,580.1 3671.6,837.8 3664.9,1221.3 3392,1224.7 3392,1149.5 3527.2,1150.4 3517,786.2 3392,788.8 3379.3,53.7

## Silkscreen, mask and mechanical layers (free items; w line width, h text height)
Top Overlay:
  text "KARSAVURAN" at 3161.19,1758.9 h100 r90
  text "İzzet Emre" at 3070.58,1747.2 h100 r90
  text "SENSOR" at 4178.5,132.1 h60
  text "KARTI" at 4250.6,42.2 h60
Route Tool Path:
  lines w5: 3270,550 3280,550 ; 3270,560 3270,570 ; 3270,580 3270,590 ; 3280,560 3280,570 3280,580 ; 3280,590 3290,590 ; 3290,550 3290,560 ; 3290,570 3290,580 ; 780,180 1480,180 1480,450 780,450 780,180
  lines w30: 3280,410 3280,530 ; 3280,610 3280,730
Drill Drawing:
  lines w3.94: 7875,0 7875,3935

## Text inside footprints (layer, text, board x,y; h text height)
*1: Top Designator "U10" at 2563.21,796.92 h43.31
DL1: Top Overlay "~" at 1128.86,2057.03 h60 r180; Top Overlay "~" at 928.07,2053.09 h60 r180
S1: Top Overlay "G" at 3680.27,730.62 h39.37; Top Overlay "S" at 3829.88,647.94 h39.37; Top Overlay "D" at 3726.63,531.9 h39.37
T1: Top Overlay "OUTPUT" at 1721.3,2180 h39.37; Top Overlay "INPUT" at 656.3,3370 h39.37